# Altium PCB VESC_DEVICE_75100.PcbDoc (part 2 of 3) (continued)
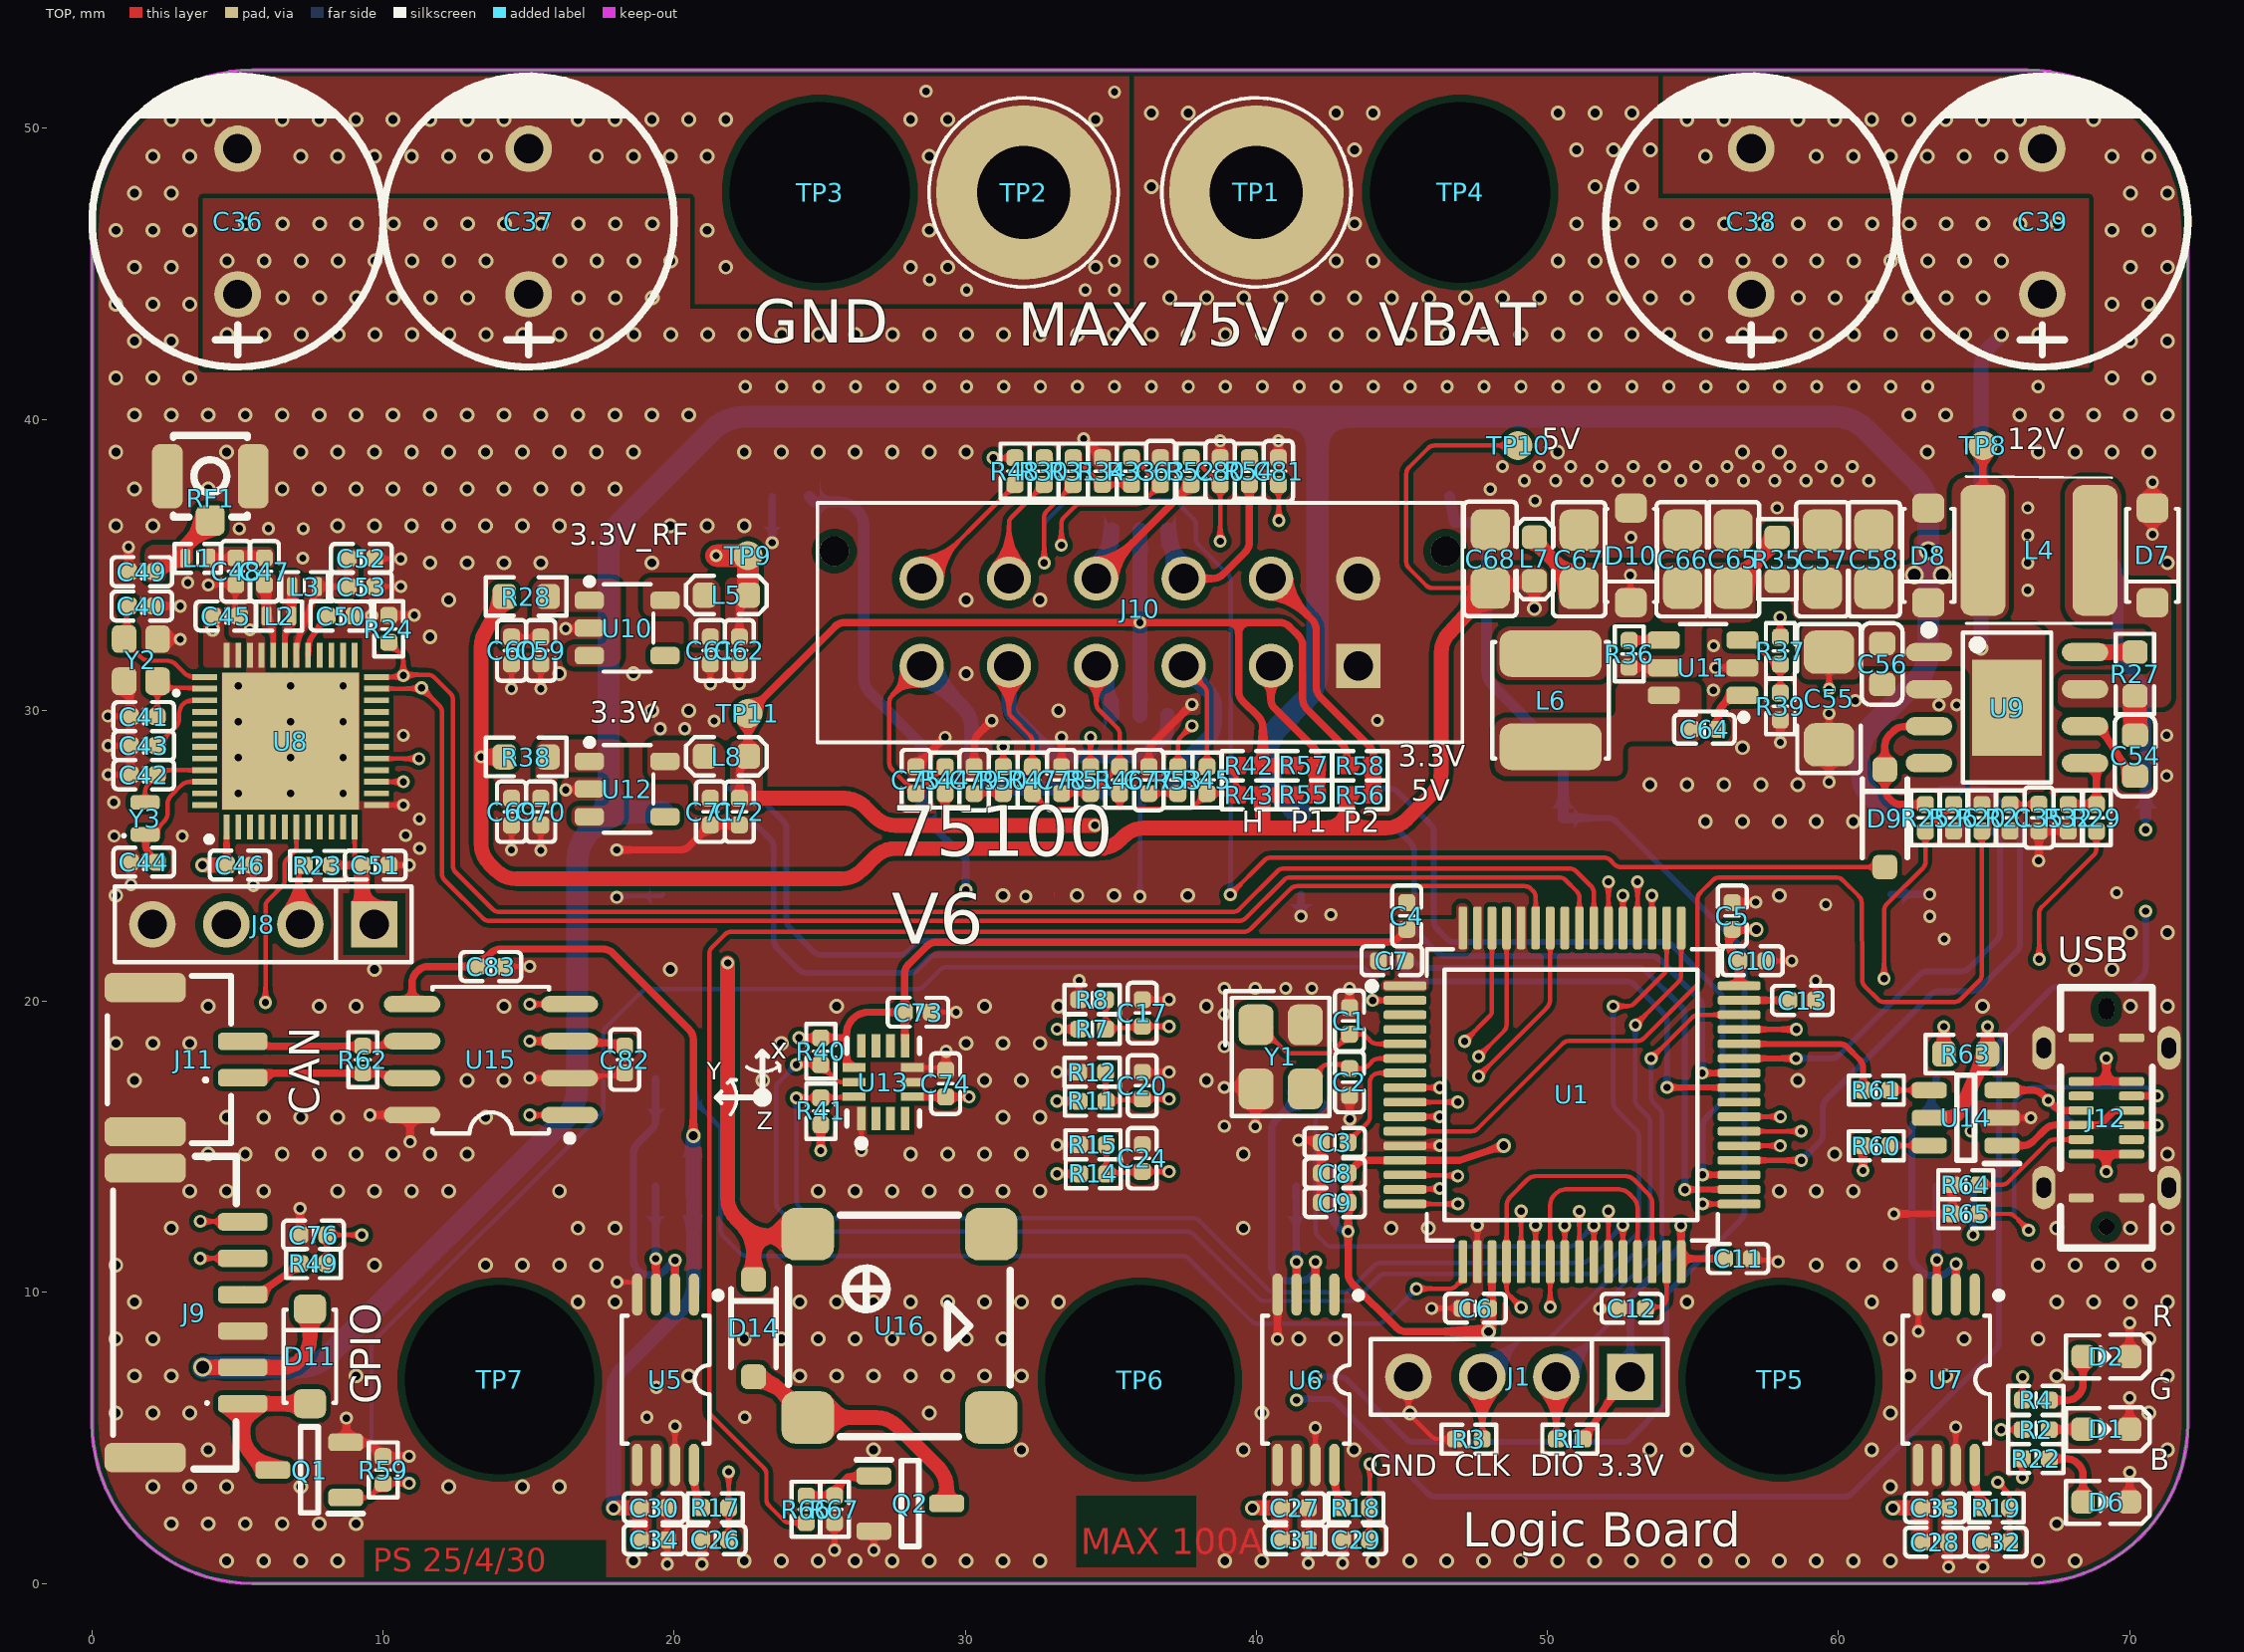
[diagram p0: TOP view]
## Nets (pads, with @x,y where several pads share a name; then routed paths per layer and width w, separated by ;. In a path a pad name is that pad's centre, name@x,y a point inside that pad or via, vN(x,y) a via of type N, cw(c..) or ccw(c..) an arc to the next point about the centre after c; other vN are vias at no path point) (continued)
HALL_1: R50.2 U1.37 | length 37.2
  TOP w0.152: R50.2@31.304,28.065 v2(31.304,28.75) ; U1.37@56.582,15.038 v2(57.997,15.038)
  LAYER_2 w0.152: v2(31.304,28.75) 31.818,28.236 ccw(c32.033,28.452) 32.033,28.147 44.228,28.147 cw(c44.228,27.842) 44.443,28.058 50.894,21.606 cw(c50.678,21.392) 50.983,21.392 50.983,16.806 ccw(c51.288,16.806) 51.072,16.591 52.532,15.13 ccw(c52.747,15.346) 52.747,15.041 57.994,15.041 v2(57.997,15.038)
HALL_2: R51.2 U1.38 | length 35.9
  TOP w0.152: R51.2@34.304,28.065 v2(34.304,29.076) ; U1.38@56.582,15.538 v2(58.72,15.538)
  LAYER_2 w0.152: v2(34.304,29.076) 34.683,28.697 ccw(c34.898,28.913) 34.898,28.608 44.259,28.608 cw(c44.259,28.303) 44.474,28.52 51.271,21.722 cw(c51.055,21.507) 51.36,21.507 51.36,17.07 ccw(c51.665,17.07) 51.449,16.855 52.685,15.618 ccw(c52.9,15.834) 52.9,15.529 52.951,15.529 58.711,15.529 v2(58.72,15.538)
HALL_3: R53.2 U1.39 | length 31.5
  TOP w0.152: R53.2@37.304,28.065 37.304,28.864 cw(c37.609,28.864) 37.393,29.079 v2(37.785,29.471) ; U1.39@56.582,16.038 v2(58.005,16.038)
  LAYER_2 w0.152: v2(37.785,29.471) 38.111,29.146 ccw(c38.325,29.362) 38.325,29.057 44.378,29.057 cw(c44.378,28.753) 44.593,28.968 51.661,21.9 cw(c51.445,21.685) 51.75,21.685 51.75,17.217 ccw(c52.055,17.217) 51.839,17.002 52.725,16.115 ccw(c52.94,16.331) 52.94,16.026 57.993,16.026 v2(58.005,16.038)
HALL_A: C79.1 D12.6 J10.5 R47.1 R50.1 | length 14.6
  TOP w0.152: C79.1@30.304,27.145 31.165,27.145 R50.1@31.304,27.145 31.443,27.246 ccw(c31.246,27.478) 31.46,27.261 32.165,27.966 R47.1@32.304,28.065 32.304,28.93 ccw(c31.999,28.93) 32.216,29.144 31.589,29.771 cw(c31.805,29.986) 31.5,29.986 J10.5@31.5,31.53
  BOTTOM w0.508: J10.5@31.5,31.53 31.5,30.267 ccw(c32.262,30.267) 31.723,29.728 32.783,28.668 ccw(c33.322,29.207) 33.112,28.474 33.129,28.469 ccw(c33.304,29.076) 33.304,28.445 35.854,28.445 ccw(c35.854,29.207) 36.392,28.667 36.727,29.002 ccw(c36.188,29.541) 36.948,29.479 D12.6@36.95,29.825
HALL_B: C78.1 D12.4 J10.4 R46.1 R51.1 | length 7.9
  TOP w0.152: C78.1@33.304,27.145 34.165,27.145 R51.1@34.304,27.145 34.443,27.246 ccw(c34.246,27.478) 34.46,27.261 35.165,27.966 R46.1@35.304,28.065 35.304,29.18 ccw(c34.999,29.18) 35.216,29.395 34.589,30.022 cw(c34.805,30.237) 34.5,30.237 J10.4@34.5,31.53
  BOTTOM w0.508: J10.4@34.5,31.53 35.029,30.171 D12.4@35.05,29.825
HALL_C: C77.1 D12.1 J10.3 R45.1 R53.1 | length 11.4
  TOP w0.152: C77.1@36.304,27.145 37.165,27.145 R53.1@37.304,27.145 37.443,27.246 ccw(c37.246,27.478) 37.46,27.261 38.164,27.965 R45.1@38.304,28.065 38.304,30.6 ccw(c37.999,30.6) 38.215,30.815 J10.3@37.5,31.53
  BOTTOM w0.508: D12.1@36.95,27.325 36.971,27.671 38.338,29.038 ccw(c37.799,29.577) 38.561,29.577 38.561,30.123 ccw(c37.799,30.123) 38.347,30.652 J10.3@37.5,31.53
HIN1: U1.41 U4.2 | length 42.3
  TOP w0.203: v2(54.109,17.045) 54.112,17.042 56.579,17.042 U1.41@56.582,17.038
  BOTTOM w0.203: U4.2@21.782,26.049 21.834,26.049 22.657,26.049 cw(c22.657,25.642) 22.944,25.93 23.296,25.578 cw(c23.008,25.291) 23.415,25.291 23.415,22.117 ccw(c23.821,22.117) 23.533,21.83 24.26,21.103 ccw(c24.547,21.391) 24.547,20.984 28.072,20.984 ccw(c28.072,21.391) 28.359,21.103 28.739,21.483 cw(c29.026,21.196) 29.026,21.602 44.236,21.602 cw(c44.234,21.196) 44.473,21.524 45.52,20.763 ccw(c45.759,21.092) 45.759,20.686 52.711,20.686 cw(c52.711,20.279) 52.998,20.567 53.99,19.575 cw(c53.702,19.288) 54.109,19.288 v2(54.109,17.045)
HIN2: U1.42 U3.2 | length 19.4
  TOP w0.203: v2(55.318,17.537) U1.42@56.581,17.538
  BOTTOM w0.203: U3.2@44.01,26.049 43.834,26.049 44.531,26.049 cw(c44.531,25.642) 44.819,25.929 45.298,25.451 cw(c45.01,25.163) 45.417,25.163 45.417,22.646 ccw(c45.823,22.644) 45.535,22.357 46.21,21.682 ccw(c46.497,21.97) 46.497,21.564 53.559,21.564 cw(c53.559,21.157) 53.846,21.445 55.199,20.092 cw(c54.911,19.805) 55.318,19.805 v2@55.318,17.543
HIN3: U1.43 U2.2 | length 16.2
  TOP w0.203: U1.43@56.582,18.038 v2(58.541,18.038)
  BOTTOM w0.203: v2(58.541,18.038) 59.734,18.038 ccw(c59.734,18.445) 60.021,18.157 62.777,20.913 cw(c63.064,20.625) 63.064,21.032 64.201,21.032 ccw(c64.201,21.438) 64.488,21.15 65.427,22.09 ccw(c65.14,22.377) 65.546,22.377 65.546,25.399 ccw(c65.14,25.399) 65.427,25.687 65.184,25.93 ccw(c64.897,25.642) 64.897,26.049 64.012,26.049 U2.2@63.506,26.049
LED_GREEN: R2.1 U1.53 | length 32.3
  TOP w0.152: v2(52.59,23.642) 52.592,23.64 52.592,22.529 U1.53@52.594,22.526 ; v2(65.586,5.283) R2.1@66.327,5.283
  LAYER_2 w0.152: v2(52.59,23.642) 52.59,24.331 cw(c52.894,24.331) 52.678,24.546 52.807,24.674 cw(c53.022,24.458) 53.022,24.763 53.944,24.763 cw(c53.944,24.458) 54.159,24.674 54.607,24.227 ccw(c54.822,24.443) 54.822,24.138 59.74,24.138 cw(c59.74,23.833) 59.962,24.042 62.536,21.299 cw(c62.313,21.091) 62.618,21.091 62.618,17.493 ccw(c62.923,17.493) 62.707,17.278 63.196,16.789 ccw(c63.411,17.005) 63.411,16.7 64.706,16.7 cw(c64.706,16.395) 64.921,16.611 65.515,16.017 cw(c65.299,15.802) 65.603,15.802 65.603,5.386 cw(c65.299,5.386) v2(65.586,5.283)
LED_RED: R4.1 U1.54 | length 32.2
  TOP w0.152: U1.54@52.094,22.526 v2(52.094,24.11) ; R4.1@66.323,6.32 66.322,6.435 66.322,7.052 cw(c66.626,7.051) v2(66.325,7.095)
  LAYER_2 w0.152: v2(52.094,24.11) 52.094,24.667 cw(c52.398,24.667) 52.182,24.882 52.419,25.119 cw(c52.634,24.903) 52.634,25.208 54.137,25.208 cw(c54.137,24.903) 54.352,25.119 54.776,24.696 ccw(c54.991,24.912) 54.991,24.607 59.793,24.607 cw(c59.793,24.302) 60.014,24.512 62.953,21.409 cw(c62.731,21.2) 63.035,21.2 63.035,17.665 ccw(c63.34,17.665) 63.124,17.45 63.34,17.234 ccw(c63.555,17.45) 63.555,17.145 64.905,17.145 cw(c64.905,16.841) 65.12,17.057 65.876,16.301 cw(c65.66,16.086) 65.965,16.086 65.965,7.582 ccw(c66.27,7.582) 66.053,7.367 v2(66.325,7.095)
LIN1: U1.34 U4.3 | length 46.4
  TOP w0.203: v2(54.72,13.527) 54.725,13.533 56.576,13.533 U1.34@56.582,13.538
  BOTTOM w0.203: U4.3@21.782,27.319 21.834,27.319 22.45,27.319 cw(c22.45,26.912) 22.737,27.2 23.737,26.199 cw(c23.45,25.912) 23.856,25.912 23.856,22.807 ccw(c24.263,22.807) 23.975,22.52 24.776,21.719 ccw(c25.063,22.006) 25.063,21.6 27.738,21.6 ccw(c27.738,22.006) 28.025,21.719 28.272,21.965 cw(c28.559,21.677) 28.559,22.084 44.566,22.084 cw(c44.563,21.677) 44.851,21.965 45.545,21.271 ccw(c45.832,21.559) 45.832,21.152 53.097,21.152 cw(c53.097,20.746) 53.384,21.033 54.601,19.816 cw(c54.313,19.529) 54.72,19.529 v2(54.72,13.527)
LIN2: U1.35 U3.3 | length 25.1
  TOP w0.203: v2(55.328,14.044) U1.35@56.576,14.044
  BOTTOM w0.203: U3.3@43.353,27.319 cw(c43.432,26.92) 43.432,27.326 44.155,27.326 cw(c44.155,26.92) 44.163,27.326 44.582,27.319 cw(c44.575,26.912) 44.862,27.2 45.978,26.084 cw(c45.691,25.796) 46.097,25.796 46.097,22.764 ccw(c46.504,22.762) 46.216,22.475 46.53,22.161 ccw(c46.817,22.449) 46.817,22.043 54.006,22.043 cw(c54.006,21.636) 54.293,21.924 55.897,20.32 cw(c55.61,20.033) 56.016,20.033 56.016,16.726 cw(c55.61,16.726) 55.897,16.439 55.446,15.988 ccw(c55.734,15.701) 55.328,15.701 v2(55.328,14.044)
LIN3: U1.36 U2.3 | length 20.8
  TOP w0.203: U1.36@56.582,14.538 v2(58.724,14.537)
  BOTTOM w0.203: v2(58.724,14.537) 59.345,15.158 ccw(c59.057,15.445) 59.463,15.445 59.463,16.356 cw(c59.87,16.356) 59.582,16.643 63.174,20.235 cw(c63.461,19.947) 63.461,20.354 64.585,20.354 ccw(c64.585,20.76) 64.872,20.472 66.11,21.71 ccw(c65.822,21.997) 66.228,21.997 66.228,26.027 ccw(c65.822,26.027) 66.109,26.314 65.224,27.2 ccw(c64.937,26.912) 64.937,27.319 64.012,27.319 U2.3@63.506,27.319
M_TEMP: C75.1 D12.3 J10.6 R44.1 U1.24 | length 53.2
  TOP w0.152: J10.6@28.5,31.53 27.48,30.51 ccw(c27.696,30.295) 27.392,30.295 27.392,28.184 ccw(c27.696,28.184) 27.48,27.969 28.165,27.284 C75.1@28.304,27.145 28.443,27.244 29.165,27.966 R44.1@29.304,28.065 ; U1.24@50.594,11.05 v2(50.594,12.299)
  LAYER_2 w0.152: J10.6@28.5,31.53 30.126,29.904 cw(c29.91,29.689) 30.215,29.689 30.215,28.57 ccw(c30.52,28.57) 30.304,28.355 30.794,27.865 ccw(c31.008,28.081) 31.008,27.777 44.039,27.777 cw(c44.039,27.472) 44.255,27.687 50.505,21.437 cw(c50.289,21.222) 50.594,21.222 v2(50.594,12.299)
  BOTTOM w0.508: J10.6@28.5,31.53 29.924,30.106 cw(c29.205,29.388) 30.221,29.388 30.221,28.341 ccw(c31.237,28.341) 31.237,27.325 D12.3@35.05,27.325
NetC1_2: C1.2 U1.5 Y1.1 | length 5.9
  TOP w0.152: Y1.1@39.986,19.295 40.286,18.995 40.978,18.303 ccw(c41.193,18.519) 41.193,18.214 42.419,18.214 ccw(c42.419,18.519) 42.634,18.303 C1.2@43.2,18.869 43.567,18.869 cw(c43.565,18.564) 43.727,18.822 cw(c43.418,18.332) 43.883,18.678 ccw(c44.127,18.862) 43.948,18.614 ccw(c44.184,18.942) 44.184,18.538 44.444,18.538 U1.5@45.106,18.538
NetC2_2: C2.2 U1.6 Y1.3 | length 3.8
  TOP w0.152: Y1.3@41.707,17.195 42.258,17.746 cw(c42.473,17.53) 42.473,17.835 43.024,17.835 cw(c43.024,17.53) 43.041,17.835 43.157,17.828 43.296,17.689 43.339,17.689 43.597,17.689 ccw(c43.598,18.005) 43.755,17.73 ccw(c43.479,18.214) 43.939,17.899 cw(c44.189,17.726) 44.042,17.993 cw(c44.221,17.666) 44.221,18.038 U1.6@45.106,18.038
NetC12_1: C12.1 U1.31 | length 2.2
  TOP w0.152: C12.1@53.36,9.5 53.789,9.5 ccw(c53.789,9.805) 54.094,9.805 U1.31@54.094,11.05
NetC13_1: C13.1 U1.47 | length 1.7
  TOP w0.254: U1.47@56.582,20.038 C13.1@58.295,20.038
NetC40_1: C40.1 U8.37 Y2.3 | length 4.4
  TOP w0.152: C40.1@1.251,33.588 1.176,33.448 1.176,32.715 Y2.3@1.101,32.453 1.313,32.19 1.664,31.84 ccw(c1.986,32.164) 1.986,31.707 2.557,31.707 cw(c2.557,31.249) 2.816,31.626 cw(c2.642,31.375) 2.857,31.592 3.174,31.279 ccw(c3.496,31.603) 3.496,31.146 U8.37@3.871,31.146
NetC41_1: C41.1 U8.38 Y2.1 | length 2.9
  TOP w0.152: C41.1@2.236,29.788 2.243,29.927 2.243,30.74 Y2.1@2.251,31.003 2.463,30.769 3.522,30.769 U8.38@3.871,30.746
NetC42_1: C42.1 U8.45 Y3.2 | length 2.8
  TOP w0.152: Y3.2@1.821,26.838 1.821,27.184 cw(c2.278,27.184) 1.954,27.507 C42.1@2.236,27.788 2.394,27.946 U8.45@3.871,27.946
NetC43_1: C43.1 U8.39 | length 2.5
  TOP w0.152: C43.1@2.236,28.788 2.859,29.412 ccw(c2.536,29.735) 2.993,29.735 2.993,29.888 cw(c3.45,29.888) 3.45,30.346 U8.39@3.871,30.346
NetC44_1: C44.1 U8.46 Y3.1 | length 4.2
  TOP w0.152: Y3.1@1.821,25.738 2.126,25.863 2.131,25.865 ccw(c2.006,26.143) 2.221,25.927 2.459,26.166 ccw(c2.136,26.488) 2.593,26.488 2.593,26.767 cw(c3.05,26.767) 2.726,27.09 3.048,27.412 cw(c3.371,27.088) 3.371,27.546 U8.46@3.871,27.546
  TOP w0.254: Y3.1@1.821,25.738 1.842,25.615 1.842,25.406 ccw(c2.35,25.407) 1.965,25.076 2.097,24.923 C44.1@2.254,24.784
NetC47_1: C47.1 C48.2 L1.2 | length 1.9
  TOP w0.203: L1.2@4.052,35.226 4.125,35.233 4.798,35.233 C48.2@4.936,35.24
  TOP w0.508: C48.2@4.936,35.24 C47.1@5.921,35.24
NetC47_2: C47.2 L2.2 U8.32 | length 2.6
  TOP w0.203: L2.2@5.994,33.125 6.067,33.048 cw(c5.815,32.73) 6.221,32.73 U8.32@6.221,31.896
  TOP w0.33: C47.2@5.991,34.453 5.991,33.405 L2.2@5.994,33.125
NetC49_2: C49.2 L1.1 RF1.1 | length 2.8
  TOP w0.508: C49.2@2.169,34.767 2.206,34.803 2.682,35.084 cw(c3.199,34.21) 3.197,35.226 L1.1@3.202,35.226 3.202,35.637 3.815,36.25 RF1.1@4.061,36.521
NetC50_2: C50.2 U8.29 | length 1.6
  TOP w0.203: U8.29@7.421,31.896 7.459,32.298 cw(c7.863,32.26) 7.466,32.347 7.473,32.375 cw(c7.721,32.321) 7.51,32.462 7.942,33.106 C50.2@8.081,33.246
NetC52_2: C52.2 C53.2 L3.1 U8.30 | length 4.5
  TOP w0.203: U8.30@7.021,31.896 7.021,32.055 cw(c7.428,32.055) 7.028,32.128 7.071,32.366 ; 7.071,32.366 cw(c7.321,32.321) 7.081,32.405 7.253,32.895 ccw(c6.931,33.008) 7.254,32.897 7.648,34.032 L3.1@7.722,34.256 C53.2@8.791,34.256 C52.2@8.791,35.227
NetC54_1: C54.1 U9.6 | length 2.6
  TOP w0.254: U9.6@68.469,29.46 68.954,29.46 69.937,27.943 C54.1@70.186,27.743
NetC54_2: C54.2 D7.1 L4.1 R27.1 U9.7 | length 1.4
  TOP w0.762: C54.2@70.186,29.145 R27.1@70.186,30.496
NetC59_1: C59.1 C60.1 R28.2 U10.1 U10.3 | length 1
  TOP w0.152: C60.1@14.409,32.521 C59.1@15.416,32.521
NetC61_1: C61.1 L5.1 U10.5
NetC64_1: C64.1 L6.1 U11.6
NetC64_2: C64.2 U11.1 | length 1.6
  TOP w0.254: C64.2@55.748,29.352 55.865,29.491 55.865,29.812 cw(c56.373,29.812) 56.013,30.171 56.175,30.333 cw(c56.533,29.973) 56.208,30.363 56.294,30.435 U11.1@56.594,30.515
NetC65_1: C65.1 C66.1 R35.1 R36.2 U11.5 | length 3.3
  TOP w0.254: R36.2@52.704,31.477 U11.5@53.681,31.477
  TOP w0.508: C65.1@56.374,34.198 56.711,34.565 57.571,35.58 ccw(c56.796,36.237) 57.713,35.798 R35.1@57.891,35.947
NetC67_1: C67.1 D10.1 L6.2 L7.1 R37.2 | length 9.7
  TOP w0.152: v2(52.847,34.644) 52.847,33.949 D10.1@52.865,33.699 ; v2(57.993,33.2) 57.997,33.179 57.997,32.647 R37.2@58.001,32.508
  TOP w0.508: L7.1@49.548,35.951 49.726,35.803 49.726,35.801 ccw(c50.699,36.094) 49.979,35.377 50.794,34.562 C67.1@51.047,34.194
  LAYER_2 w0.152: v2(52.847,34.644) 56.422,34.644 cw(c56.422,34.34) 56.637,34.555 v2(57.993,33.2)
NetC69_1: C69.1 C70.1 R38.2 U12.1 U12.3
NetC71_1: C71.1 L8.1 U12.5
NetD1_2: D1.2 R2.2 | length 1.2
  TOP w0.254: R2.2@67.247,5.283 67.378,5.3 D1.2@68.4,5.3
NetD2_2: D2.2 R4.2 | length 2.4
  TOP w0.254: R4.2@67.238,6.295 67.853,6.295 ccw(c67.853,6.803) 68.211,6.443 68.252,6.484 ccw(c67.892,6.843) 68.4,6.843 D2.2@68.4,7.8
NetD6_2: D6.2 R22.1 | length 2.4
  TOP w0.254: R22.1@67.238,4.286 67.836,4.286 cw(c67.836,3.778) 68.195,4.138 68.252,4.081 cw(c67.892,3.722) 68.4,3.722 68.4,3 D6.2@68.4,2.8
NetD9_1: D9.1 R25.2 U9.3 | length 5
  TOP w0.254: R25.2@62.986,26.77 62.149,26.77 cw(c62.149,27.278) 61.791,26.918 61.736,26.973 cw(c62.097,27.331) 61.589,27.331 61.589,28.785 cw(c62.097,28.785) 61.737,29.143 61.886,29.292 cw(c62.245,28.932) 62.233,29.44 U9.3@63.104,29.46
NetD9_2: D9.2 R30.1 R31.2 | length 48
  TOP w0.152: v2(32.708,35.067) 32.708,36.635 cw(c33.013,36.635) 32.797,36.849 R31.2@33.708,37.761 33.569,37.894 R30.1@32.848,38.581 ; R30.1@32.708,38.681 R30.1@32.847,38.582 ; v2(39.103,23.664) cw(c39.364,23.506) 39.147,23.72 40.282,24.855 cw(c40.497,24.639) 40.497,24.944 51.939,24.944 cw(c51.939,24.639) 52.154,24.855 52.304,24.705 ccw(c52.519,24.921) 52.519,24.616 D9.2@61.589,24.616
  BOTTOM w0.152: v2(32.708,35.067) 32.708,36.322 cw(c33.013,36.322) 32.797,36.537 33.4,37.14 cw(c33.615,36.924) 33.615,37.228 37.07,37.228 cw(c37.07,36.924) 37.286,37.138 37.83,36.594 cw(c37.615,36.379) 37.92,36.38 37.92,35.909 ccw(c38.224,35.909) 38.008,35.694 39.028,34.669 cw(c38.812,34.454) 39.116,34.454 39.116,23.677 v2(39.103,23.664)
NetD11_2: D11.2 J9.1 Q1.3 | length 5.1
  TOP w0.508: J9.1@5.175,6.175 D11.2@7.485,6.175 ; J9.1@5.189,6.161 5.189,5.159 ccw(c6.205,5.159) 5.406,4.531 5.867,3.944 Q1.3@6.213,3.898
NetD14_2: D14.2 Q2.3 U16.2 | length 8.9
  TOP w0.508: D14.2@22.725,7.1 22.896,6.95 22.917,6.95 cw(c22.917,5.934) 23.636,6.653 24.139,6.15 U16.2@24.589,5.7 26.938,5.7 cw(c26.938,4.684) 27.656,5.403 29.06,3.999 cw(c28.341,3.281) 29.357,3.281 Q2.3@29.357,2.748
NetJ9_4: J9.4 R49.2 | length 2.3
  TOP w0.254: J9.4@5.175,9.925 5.875,10.075 7.007,10.851 R49.2@7.146,10.991
NetJ12_A5: J12.A5 R64.1 | length 4.1
  TOP w0.152: R64.1@64.828,13.7 65.605,13.7 ccw(c65.605,14.005) 65.82,13.789 67.192,15.161 cw(c67.407,14.945) 67.407,15.25 J12.A5@68.335,15.25
NetJ12_B5: J12.B5 R65.1 | length 12.6
  TOP w0.152: R65.1@64.828,12.7 65.844,12.7 cw(c65.844,12.395) 66.059,12.611 66.498,12.173 cw(c66.283,11.956) v2(66.529,12.136)
  TOP w0.254: J12.B5@70.065,16.75 70.373,16.752 70.946,16.755 ccw(c70.945,17.136) v2(70.948,16.755)
  BOTTOM w0.152: v2(66.529,12.136) ccw(c66.283,11.956) 66.499,12.171 66.119,12.551 cw(c66.336,12.766) 66.031,12.766 66.031,16.427 cw(c66.336,16.427) 66.12,16.642 66.442,16.965 cw(c66.657,16.749) 66.657,17.054 70.479,17.054 cw(c70.479,16.749) 70.674,16.983 v2(70.948,16.755)
NetL2_1: L2.1 L3.2 U8.31 | length 2.4
  TOP w0.203: U8.31@6.621,31.896 6.621,32.507 cw(c7.028,32.507) 6.642,32.635 6.77,33.022 L2.1@6.844,33.246
  TOP w0.33: L2.1@6.844,33.246 6.854,33.309 ccw(c6.197,33.383) 6.858,33.383 6.858,34.117 cw(c7.518,34.117) 6.862,34.19 L3.2@6.872,34.256
NetQ2_1: Q2.1 R66.1 R67.2 | length 2.7
  TOP w0.254: R66.1@24.532,3.008 24.671,3.008 25.367,3.008 R67.2@25.507,3.008 25.507,3.205 25.958,3.656 26.407,3.679 Q2.1@26.852,3.702
NetR5_2: R5.2 U2.7
NetR6_2: R6.2 U2.5
NetR9_2: R9.2 U3.7
NetR10_2: R10.2 U3.5
NetR13_2: R13.2 U4.7
NetR16_2: R16.2 U4.5
NetR22_2: R22.2 U8.7 | length 87.6
  TOP w0.152: v2(5.957,19.965) 5.957,23.262 cw(c6.262,23.262) 6.045,23.476 6.55,23.981 ccw(c6.388,24.142) 6.617,24.142 6.617,24.722 cw(c6.845,24.722) 6.683,24.883 6.954,25.154 ccw(c6.792,25.315) 7.021,25.315 U8.7@7.021,25.996 ; v2(66.319,3.634) R22.2@66.318,4.286
  LAYER_2 w0.152: v2(5.957,19.965) 1.859,15.866 ccw(c2.074,15.651) 1.77,15.651 1.77,10.62 ccw(c2.227,10.62) 1.903,10.297 10.1,2.1 ccw(c10.422,2.424) 10.422,1.967 65.306,1.967 ccw(c65.306,2.272) 65.521,2.056 66.23,2.765 ccw(c66.014,2.98) 66.319,2.98 66.319,3.613 v2@66.319,3.481
NetR27_2: R27.2 U9.8 | length 1
  TOP w0.508: U9.8@69.169,32 R27.2@70.186,32
NetR29_1: R29.1 R32.2 U9.5 | length 2.7
  TOP w0.254: R32.2@67.892,26.768 R29.1@68.861,26.768 68.861,28.016 68.687,28.19 U9.5@68.469,28.19
NetR31_1: R31.1 R33.1 R34.2 | length 2.4
  TOP w0.152: R31.1@33.708,38.681 33.847,38.582 R34.2@34.708,37.721 ; R34.2@34.708,37.761 35.571,37.761 R33.1@35.71,37.761
NetR36_1: R36.1 U11.4 | length 1
  TOP w0.254: R36.1@52.704,32.412 U11.4@53.672,32.412
NetR37_1: R37.1 R39.2 U11.3 | length 2.4
  TOP w0.152: U11.3@56.694,32.415 57.094,32.294 R37.1@57.801,31.588 ; R39.2@58.001,30.595 R37.1@58.001,31.588
NetR42_1: R42.1 R43.1 R45.2 R46.2 R47.2 | length 8.8
  TOP w0.152: R47.2@32.304,27.145 32.443,27.006 32.734,26.715 ccw(c32.949,26.931) 32.949,26.626 35.304,26.626 ; R46.2@35.304,27.145 35.304,26.626 ; R42.1@39.301,28.1 39.301,27.303 cw(c38.996,27.303) 39.257,27.145 R45.2@38.304,27.145 37.874,26.715 cw(c37.659,26.931) 37.659,26.626 35.304,26.626
NetR60_2: R60.2 U14.6 | length 1.4
  TOP w0.152: R60.2@61.764,15.046 62.656,15.046 U14.6@63.118,15.05
NetR61_2: R61.2 U14.4 | length 1.4
  TOP w0.152: R61.2@61.76,16.95 U14.4@63.118,16.95
NRF_UART_RX: U1.51 U8.17 | length 58.7
  TOP w0.152: U8.17@9.771,28.346 10.12,28.343 v2(11.229,28.34) ; v2(53.588,23.642) cw(c53.286,23.601) 53.591,23.601 53.591,23.188 U1.51@53.594,22.526
  LAYER_2 w0.152: v2(11.229,28.34) 11.229,29.743 cw(c11.534,29.743) 11.318,29.958 18.698,37.338 cw(c18.913,37.122) 18.913,37.427 43.115,37.427 cw(c43.115,37.122) 43.33,37.338 44.827,35.841 cw(c44.611,35.626) 44.915,35.626 44.915,30.568 ccw(c45.22,30.568) 45.004,30.353 52.081,23.277 ccw(c52.296,23.493) 52.296,23.188 53.008,23.188 ccw(c53.008,23.493) 53.223,23.277 v2(53.588,23.642)
NRF_UART_TX: U1.52 U8.15 | length 61.6
  TOP w0.152: U8.15@9.771,27.546 10.12,27.545 v2(10.695,27.545) ; U1.52@53.094,22.526 v2(53.094,24.11)
  LAYER_2 w0.152: v2(10.695,27.545) 11.205,27.545 ccw(c11.205,27.85) 11.42,27.634 11.659,27.872 ccw(c11.443,28.087) 11.748,28.087 11.748,29.434 cw(c12.052,29.434) 11.836,29.649 19.084,36.897 cw(c19.299,36.681) 19.299,36.985 43.032,36.985 cw(c43.032,36.681) 43.248,36.896 44.473,35.671 cw(c44.258,35.455) 44.562,35.455 44.562,30.211 ccw(c44.867,30.21) 44.652,29.995 51.758,22.889 ccw(c51.973,23.105) 51.973,22.8 53.445,22.8 ccw(c53.445,23.105) 53.66,22.889 53.988,23.216 ccw(c53.772,23.431) 54.077,23.431 54.077,23.833 ccw(c53.772,23.833) 53.772,24.138 53.122,24.138 v2(53.094,24.11)
NRST: C3.1 U1.7 | length 3.8
  TOP w0.152: C3.1@43.141,15.155 43.811,15.825 ccw(c43.595,16.04) 43.9,16.039 43.9,17.221 cw(c44.205,17.221) 43.902,17.252 cw(c44.22,17.219) 44.22,17.538 U1.7@45.106,17.538
PC9: U1.40
PHA: J2.3 U5.3 | length 3.7
  TOP w0.254: v2(19.365,11.16) cw(c18.863,11.082) 19.371,11.082 19.371,10.002 ccw(c19.879,10.004) U5.3@19.377,9.926
  BOTTOM w0.254: v2(19.365,11.16) ccw(c18.857,11.166) 19.365,11.166 19.365,12.735 J2.3@19.365,13.65
PHB: J4.3 U6.3 | length 3.7
  TOP w0.254: U6.3@41.377,9.926 v2(41.377,11.05)
  BOTTOM w0.254: J4.3@41.365,13.65 41.371,12.735 41.371,11.126 ccw(c41.879,11.128) v2(41.377,11.05)
PHC: J6.3 U7.3 | length 3.7
  TOP w0.254: U7.3@63.377,9.949 63.377,11.103 ccw(c62.869,11.103) v2(63.377,11.115)
  BOTTOM w0.254: J6.3@63.365,13.65 63.371,12.735 63.377,11.117 ccw(c63.885,11.118) v2(63.377,11.115)
POWER1: J10.2 R55.2 R57.2 | length 5.1
  TOP w0.254: J10.2@40.5,31.53 40.5,30.355 ccw(c40.881,30.355) 40.612,30.086 41.991,28.706 cw(c41.721,28.438) 42.102,28.438 R57.2@42.102,28.1
  TOP w0.508: R55.2@42.102,27.101 R57.2@42.102,28.1
POWER2: J10.8 R56.2 R58.2 | length 8.8
  TOP w0.254: J10.8@40.5,34.53 41.907,33.123 cw(c41.548,32.764) 42.056,32.764 42.056,30.807 ccw(c42.564,30.807) 42.204,30.449 43.877,28.775 cw(c43.517,28.417) 44.025,28.417 R58.2@44.025,28.1
  TOP w0.508: R56.2@44.025,27.1 R58.2@44.025,28.1
POWER_EN: J10.11 R30.2 | length 3.7
  TOP w0.152: J10.11@31.5,34.53 31.5,36.427 cw(c31.805,36.427) 31.589,36.642 R30.2@32.708,37.761
RX_SDA_NSS: J9.5 U1.20 U1.30 | length 68.7
  TOP w0.152: v2(3.715,11.167) cw(c3.765,10.866) 3.765,11.171 4.475,11.171 J9.5@5.175,11.175 ; v2(49.098,9.488) ccw(c48.847,9.315) 49.063,9.53 48.682,9.911 cw(c48.898,10.126) 48.594,10.126 48.594,12.967 cw(c49.051,12.967) 48.727,13.29 49.304,13.867 cw(c49.626,13.543) 49.626,14 52.655,14 cw(c52.655,13.543) 52.978,13.867 53.46,13.384 cw(c53.136,13.061) 53.594,13.062 53.594,11.712 U1.30@53.594,11.05
  LAYER_2 w0.152: v2(3.715,11.167) 3.715,9.33 ccw(c4.172,9.33) 3.849,9.007 10.294,2.562 ccw(c10.616,2.886) 10.616,2.428 16.58,2.428 ccw(c16.58,2.886) 16.902,2.562 17.277,2.936 cw(c17.6,2.612) 17.6,3.07 45.277,3.07 ccw(c45.277,3.374) 45.492,3.158 46.611,4.278 ccw(c46.395,4.493) 46.7,4.493 46.7,8.674 cw(c47.005,8.674) 46.789,8.889 47.307,9.407 cw(c47.522,9.191) 47.522,9.495 49.097,9.495 cw(c49.097,9.191) v2@49.098,9.495
SCK_ADC_EXT: C81.2 R54.2 U1.21 | length 59.7
  TOP w0.152: R54.2@39.756,38.681 R54.2@39.895,38.582 ; R54.2@39.896,38.581 40.617,37.894 C81.2@40.756,37.761 40.766,37.622 40.766,36.599 ccw(c41.07,36.6) v2(40.775,36.525) ; U1.21@49.094,11.05 v2(49.094,12.792)
  LAYER_2 w0.152: v2(40.775,36.525) 27.528,36.525 ccw(c27.528,36.22) 27.313,36.436 26.645,35.769 ccw(c26.861,35.554) 26.557,35.554 26.557,29.106 ccw(c26.861,29.106) 26.645,28.891 28.841,26.696 ccw(c29.056,26.912) 29.056,26.607 43.534,26.607 cw(c43.534,26.302) 43.749,26.518 49.005,21.262 cw(c48.789,21.047) 49.094,21.047 v2(49.094,12.792)
SERVO: C76.2 R49.1 U1.58 | length 56.5
  TOP w0.152: R49.1@8.066,10.991 8.065,11.13 8.065,11.835 C76.2@8.064,11.975 8.203,11.974 9.254,11.974 cw(c9.252,11.669) v2(9.268,11.974) ; v2(47.633,17.425) 47.656,17.453 cw(c47.89,17.258) 47.674,17.473 49.959,19.758 ccw(c49.636,20.082) 50.094,20.082 U1.58@50.094,22.526
  LAYER_2 w0.152: v2(9.268,11.974) 15.122,11.974 ccw(c15.122,12.279) 15.337,12.062 27.995,24.72 cw(c28.21,24.504) 28.21,24.809 42.676,24.809 cw(c42.676,24.504) 42.891,24.72 46.528,21.083 cw(c46.313,20.868) 46.617,20.869 46.617,18.567 ccw(c46.922,18.567) 46.706,18.352 v2(47.633,17.425)
SHA: J2.4 U5.2 | length 9.5
  TOP w0.254: U5.2@20.027,10.037 20.027,10.043 20.027,11.094 ccw(c19.519,11.094) v2(20.027,11.102)
  BOTTOM w0.254: J2.4@19.365,17.35 19.365,15.84 19.291,15.661 18.748,15.118 ccw(c19.108,14.76) 18.6,14.76 18.6,11.118 ccw(c19.108,11.118) 18.747,10.761 18.757,10.75 ccw(c19.116,11.11) 19.116,10.602 19.316,10.602 ccw(c19.316,11.11) 19.675,10.75 v2(20.027,11.102)
SHA_G: C25.1 J3.2 R7.2 U4.6 | length 23.1
  TOP w0.254: v2(33.155,19.046) R7.2@33.9,19.046
  LAYER_2 w0.254: v2(30.017,23.831) 30.017,22.394 ccw(c30.525,22.394) 30.165,22.035 v2(33.155,19.046)
  BOTTOM w0.254: C25.1@28.554,26.301 28.604,26.301 30.017,24.887 v2(30.017,23.831)
  BOTTOM w0.381: J3.2@24.635,37.35 24.815,37.161 25.691,37.161 cw(c25.691,36.399) 26.23,36.937 26.288,36.88 cw(c25.749,36.341) 26.511,36.341 26.511,31.129 ccw(c27.273,31.129) 26.737,30.588 28.331,28.992 cw(c27.792,28.453) 28.554,28.453 28.554,26.501 C25.1@28.554,26.301
SHB: J4.4 U6.2 | length 10.1
  TOP w0.254: U6.2@42.027,9.926 v2(42.027,11.05)
  BOTTOM w0.254: J4.4@41.365,17.35 41.18,16.435 40.667,15.922 ccw(c41.027,15.563) 40.519,15.563 40.519,10.91 ccw(c41.027,10.91) 41.027,10.402 41.519,10.402 ccw(c41.519,10.91) 42.027,10.91 v2(42.027,11.05)
SHB_G: C21.1 J5.2 R11.2 U3.6 | length 66.2
  TOP w0.254: v2(33.15,16.576) 33.155,16.572 33.904,16.572 R11.2@33.909,16.567
  LAYER_2 w0.203: v2(33.15,16.576) 34.355,16.576 cw(c34.355,16.17) 34.643,16.457 35.731,15.369 cw(c35.444,15.082) 35.85,15.082 35.85,14.168 ccw(c36.256,14.168) 35.969,13.881 40.006,9.844 ccw(c40.293,10.131) 40.293,9.725 40.826,9.725 cw(c40.826,9.319) 41.113,9.606 41.908,8.811 cw(c41.621,8.524) 42.027,8.524 v2(42.027,7.1)
  BOTTOM w0.203: v2(42.027,7.1) 42.843,7.1 cw(c42.843,6.694) 43.132,6.98 45.136,4.976 ccw(c45.422,5.265) 45.422,4.858 52.555,4.858 ccw(c52.555,5.265) 52.842,4.977 53.959,6.094 ccw(c53.672,6.381) 54.078,6.381 54.078,9.77 cw(c54.484,9.77) 54.197,10.057 56.648,12.508 ccw(c56.36,12.795) 56.766,12.795 56.766,21.608 ccw(c56.36,21.608) 56.647,21.895 52.361,26.182 ccw(c52.073,25.895) 52.073,26.301 C21.1@50.539,26.301
  BOTTOM w0.381: J5.2@46.635,37.35 46.815,36.462 47.15,36.462 cw(c47.15,35.7) 47.912,35.7 47.912,31.386 ccw(c48.674,31.386) 48.134,30.849 50.317,28.653 cw(c49.777,28.115) 50.539,28.115 50.539,26.501 C21.1@50.539,26.301
SHC: J6.4 U7.2 | length 9.4
  TOP w0.254: U7.2@64.027,9.926 ccw(c63.524,9.994) 64.032,9.994 64.032,10.912 cw(c64.54,10.911) v2(64.036,10.978)
  BOTTOM w0.254: J6.4@63.365,17.35 63.18,16.435 62.636,15.891 62.611,15.856 ccw(c63.026,15.563) 62.518,15.563 62.518,11.268 ccw(c63.026,11.268) 62.665,10.911 62.844,10.732 ccw(c63.203,11.092) 63.203,10.584 63.432,10.584 ccw(c63.432,11.092) 63.79,10.732 v2(64.036,10.978)